# KiCad board TERES_PCB1-A64-MAIN_Rev.B.kicad_pcb (continued)
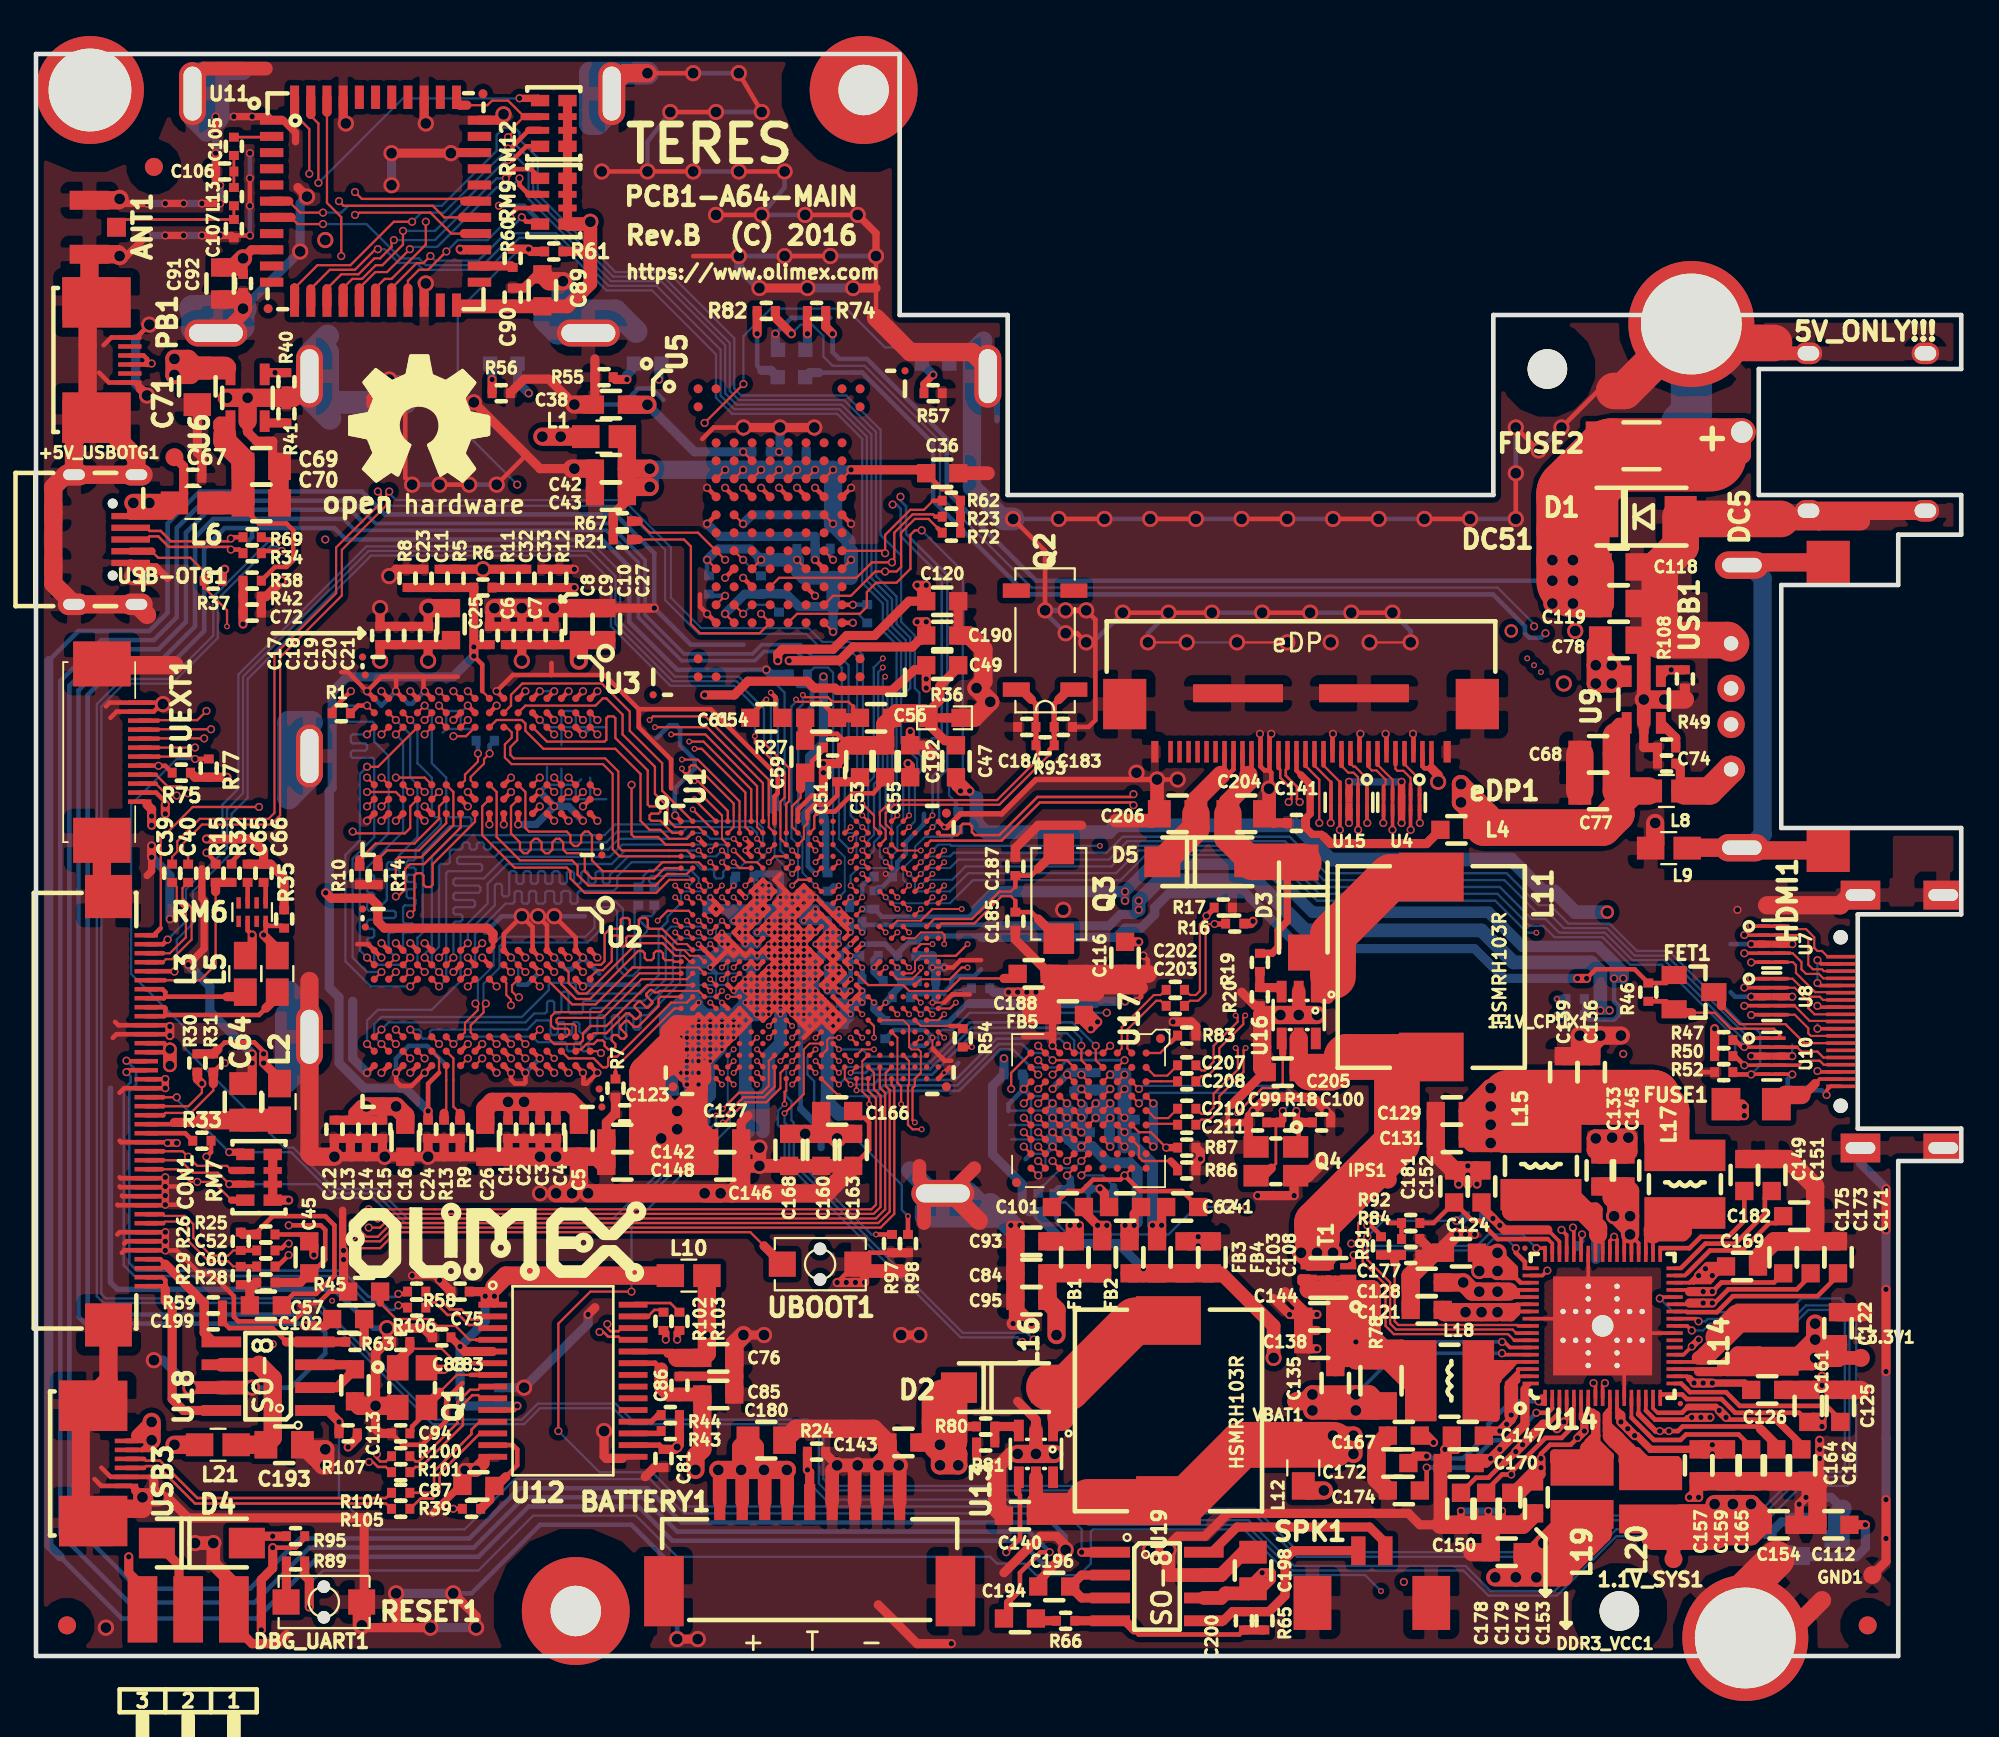
[diagram p0: board, top side]
## Routing (per net, layer and track width the routed paths; a pad name or vN(x,y) marks a point on that pad's centre or on a via; arc(x,y) is an arc through that point) (continued)
  Top w0.508: 26.11,9.96 25.6,9.45 C87.1 25.22,9.19 25.22,8.69 R39.2
Net-(C88-Pad1): length 6.7
  Top w0.127: 24.12,16.27 23.36,16.27 22.56,17.07 20.78,17.07
  Top w0.254: U12.6 24.12,16.27
  Top w0.508: C88.1 20.78,17.07 20.1,16.4 Q1.1
Net-(C94-Pad1): length 6.5
  Top w0.127: 22.43,14.66 23.39,15.62 24.15,15.62
  Top w0.254: C94.1 20.9,12.5 20.9,12.75 21.7,13.55 Q1.2 ; U12.7 24.15,15.62
  Top w0.508: 22.43,14.66 21.7,13.93 Q1.2 21.84,13.81
Net-(C99-Pad1): length 15.1
  Top w0.127: U17.B4 v2(61.3,30.7)
  Top w0.152: 68.91,29.64 68.91,27.36 68.66,27.1
  Top w0.406: v2(69.29,30.28) 69.29,29.77 R18.2
  Top w0.508: 68.66,27.1 68.24,26.68 Q4.2 ; C99.1 R18.2
  Bottom w0.127: v2(69.29,30.28) 69.54,30.53 69.54,31.04 69.29,31.29 61.89,31.29 v2(61.3,30.7)
Net-(C100-Pad2): length 13.3
  Top w0.127: U17.B3 v2(61.3,31.5)
  Top w0.254: R18.1 70.18,28.45 Q4.1
  Top w0.406: v2(70.05,30.28) 70.05,29.77 R18.1
  Top w0.508: R18.1 C100.2
  Bottom w0.127: v2(70.05,30.28) 69.93,30.4 69.93,31.17 69.42,31.67 61.47,31.67 v2(61.3,31.5)
Net-(C102-Pad1): length 1.3
  Top w0.508: R63.2 C102.1
Net-(C105-Pad1): length 2.1
  Top w0.152: 11,84.38 13.05,84.38 U11.2
Net-(C105-Pad2): length 1.8
  Top w0.152: L13.1 C106.2 C105.2
Net-(C113-Pad1): length 5
  Top w0.508: U18.3 17.47,16.18 C113.1 16.71,14.91 U18.2
Net-(C114-Pad2): length 4.3
  Top w0.127: U1.N19 v4(47.88,38.25) ; U1.U18 v4(47.22,36.3)
  Bottom w0.406: v4(47.88,38.25) 47.88,37.73 R48.2 48.11,37.31 47.59,36.79 C114.2 47.53,36.6 v4(47.22,36.3)
  Bottom w0.508: C195.2 R48.2
Net-(C118-Pad2): length 160.8
  Top w0.203: U14.58 82.33,19.14 82.25,19.23 82.25,19.48 82.3,19.54 U14.57
  Top w0.508: 85.42,62.53 85.42,62.41 DC51.1 ; v2(44.27,73.46) 43.89,73.84 R74.1 ; 81.48,19.36 v1(81.23,19.1) 81.48,18.85 81.99,18.85 82.25,19.1 82.25,19.36 81.48,19.36
  Top w1.016: 93.04,66.73 93.03,66.73 94.81,66.73 DC5.1 94.56,68.25 93.29,68.25 92.28,67.23 FUSE2.2 ; v1(85.42,59.74) v1(85.42,58.47) ; v1(84.28,58.47) v1(84.28,59.74) ; v1(84.28,60.88) v1(85.42,60.88) ; v1(81.23,19.1) v1(80.34,19.1) v1(79.45,19.1) 78.31,19.1 C121.1
  Top w1.524: 85.42,64.31 86.44,63.3 D1.C ; DC5.1 93.54,66.73 93.04,66.73 92.53,67.23 FUSE2.2 ; v1(85.42,59.74) 85.42,58.6 85.55,58.47 C119.2 C118.2 ; 87.07,67.23 87.58,66.73 FUSE2.1 87.07,67.23
  Top w4.064: 93.04,66.73 87.58,66.73 85.42,64.57 v1(85.42,60.88) v1(85.42,59.74)
  In3.Cu w1.016: 76.78,19.86 78.44,19.86 79.2,19.1 v1(79.45,19.1) v1(80.34,19.1) v1(81.23,19.1) 80.09,17.96 79.45,17.96 ; v1(85.42,58.47) v1(85.42,59.74) v1(85.42,60.88) v1(84.28,60.88) v1(84.28,59.74) v1(84.28,58.47)
  In3.Cu w2.54: 79.45,17.96 76.02,17.96 76.02,19.1 76.78,19.86
  In3.Cu w4.064: 76.78,19.86 76.4,20.24 76.4,31.04 80.4,35.04 80.4,40.5 81.86,41.96 81.86,50.09 79.45,52.5 79.45,58.34 80.85,59.74 v1(84.28,59.74)
  Bottom w0.254: v1(84.28,59.74) 55.57,59.74 50.62,64.69 50.62,67.62 46.18,72.06 44.65,72.06 44.27,72.44 v2(44.27,73.46)
Net-(C125-Pad2): length 10.2
  Top w0.203: U14.18 91.44,15.14
  Top w0.254: 91.44,15.14 91.92,14.66 93.93,14.66 94.69,13.89 99.52,13.89 100.28,13.13 100.28,13
Net-(C135-Pad1): length 45.4
  Top w0.203: U14.63 81.92,17.14 81.61,17.45 v2(81.48,17.45)
  Top w0.254: T1.6 T1.5 71.48,21.01 T1.7 72.18,21.01 72.93,21.01 72.93,20.36
  Top w0.406: T1.5 70.31,21.01 70.31,20.78 T1.6
  Top w1.016: 73.35,16.43 74.5,16.43 R78.1 ; 73.35,16.43 73.23,16.56 72.21,16.56 C135.1 C138.1 ; 73.35,16.43 v2(73.35,17.45) ; v2(73.35,17.45) 73.35,18.47 ; v2(73.35,17.45) 72.34,17.45 C138.1 ; 73.35,18.47 72.59,18.47 C144.1 ; 73.35,18.47 73.35,19.48 ; 74.24,17.7 74.75,17.2 R78.1 ; 74.24,17.7 74.24,19.48 ; 74.24,17.7 74.88,17.07 75.9,17.07 76.96,16 L18.1 76.28,15.29 74.88,16.69 R78.1 ; 74.24,19.48 74.24,20.37 ; 74.24,19.48 73.35,19.48 ; C144.1 72.85,19.48 73.35,19.48 ; C144.1 72.21,20.24 72.09,20.37 T1.7 ; C144.1 C138.1 ; 73.35,19.48 73.35,19.36 73.35,19.48 ; 74.24,20.37 74.24,20.24 ; 74.24,20.37 70.73,20.37
  Bottom w0.203: v2(81.48,17.45) v2(73.35,17.45)
Net-(C141-Pad1): length 12.8
  Top w0.254: 70.31,48.95 70.06,49.2 eDP1.16
  Top w0.406: 70.31,48.95 70.81,48.44 70.81,46.79 70.56,46.53 C141.1 70.56,46.02 70.94,45.64 71.45,45.64 71.58,45.52
  Top w0.508: L4.1 77.29,45.14 71.96,45.14 71.58,45.52
Net-(C149-Pad1): length 7.2
  Top w0.203: 90.37,22.66 90.27,22.56 U14.35
  Top w0.254: C149.1 94.94,24.18 94.06,23.29 92.53,23.29 91.9,22.66 90.37,22.66
Net-(C151-Pad1): length 7.7
  Top w0.203: 91.52,21.64 91.41,21.54 U14.34
  Top w0.254: 91.52,21.64 92.79,22.91 94.44,22.91 96.09,24.56 96.09,25.45 C151.1
Net-(C165-Pad2): length 8.8
  Top w0.203: U14.13 88.67,13.25
  Top w0.254: 95.2,11.73 94.63,12.31 91.71,12.31 91.4,12 89.92,12 88.67,13.25 ; C165.2 95.33,11.73
Net-(C172-Pad2): length 10.2
  Top w0.203: v2(83.51,14.15) 83.64,14.02 83.77,14.02 83.87,14.12 U14.1 83.71,14.34
  Top w0.406: 83.71,14.34 v2(83.51,14.15)
  Top w0.508: v2(77.29,11.1) 76.66,11.1 C172.2
  Bottom w0.254: v2(83.51,14.15) 81.99,14.15 80.72,12.88 80.72,12.37 79.32,10.97 77.61,10.97 77.48,11.1 v2(77.29,11.1)
Net-(C174-Pad2): length 10.4
  Top w0.203: U14.2 84.27,13.76
  Top w0.254: v2(77.29,10.47) 77.29,9.58 C174.2 ; v2(83.39,13.51) 84.02,13.51 84.27,13.76
  Bottom w0.254: v2(77.29,10.47) 79.45,10.47 80.97,11.99 81.86,11.99 v2(83.39,13.51)
Net-(C177-Pad2): length 12.5
  Top w0.127: 82.37,18.34 82.32,18.39 75.72,18.39 75.51,18.59 75.51,21.89
  Top w0.203: 82.37,18.34 U14.60
  Top w0.508: 75.51,22.28 R91.2 ; 75.51,22.28 75.9,22.28 ; 75.51,22.28 75.51,21.89
Net-(C181-Pad2): length 9.5
  Top w0.203: 84.02,23.17 84.27,22.92 U14.50
  Top w0.254: 84.02,23.17 81.23,23.17 80.21,24.18 79.83,24.18 C181.2 ; R92.2 77.67,24.05 C181.2 ; C181.2 78.82,25.07
Net-(C182-Pad2): length 7.4
  Top w0.203: 91.77,21.26 91.65,21.14 U14.33
  Top w0.254: 91.77,21.26 93.04,22.53 94.82,22.53 96.34,24.05 96.72,24.05 C182.2
Net-(C183-Pad1): length 16
  Top w0.107: 47.55,45.89 47.22,46.22 47.22,46.83
  Top w0.127: 47.22,46.83 47.69,47.3 53.54,47.3 56.34,50.09 ; U1.B19 47.55,45.89
  Top w0.254: 56.34,50.09 56.34,50.34 R93.1
  Top w0.305: R93.1 56.59,52.88 56.84,53.14
  Top w0.508: 56.84,53.14 57.4,53.69 Q2.2
Net-(C184-Pad1): length 16.6
  Top w0.107: 46.9,46.7 46.9,46.2 47.22,45.88 47.22,45.4
  Top w0.127: 46.9,46.7 46.9,46.88 47.57,47.55 53.42,47.55 55.7,49.84 55.7,50.09 ; U1.C18 47.22,45.4
  Top w0.254: 55.7,50.09 55.7,50.47 R93.2
  Top w0.305: 55.32,53.14 55.57,52.88 C184.1 R93.2
  Top w0.508: 55.32,53.14 54.77,53.69 Q2.1
Net-(C185-Pad1): length 8.8
  Top w0.127: 54.43,41.96 54.18,42.22 53.67,42.22 52.15,40.69 50.32,40.69 U1.K23
  Top w0.254: 54.43,41.96 C185.1 55.32,41.33 55.7,40.95
  Top w0.508: 56.79,39.85 55.7,40.95 ; 56.79,39.85 Q3.1 56.79,39.85
Net-(C187-Pad1): length 9.6
  Top w0.127: U1.K22 49.92,40.95 52.02,40.95 53.54,42.47 54.18,42.47 54.43,42.72
  Top w0.254: 54.43,42.72 C187.1 55.32,43.36 55.7,43.74
  Top w0.508: 56.79,44.83 55.7,43.74 ; 56.79,44.83 Q3.2 56.79,44.83
Net-(C188-Pad2): length 9.9
  Top w0.107: 48.53,36.95 50.67,36.95
  Top w0.127: 48.53,36.95 48.2,37.27 46.25,37.27 45.6,37.92 ; 53.8,37.64 51.37,37.64 50.67,36.95
  Top w0.508: 54.43,37.64 53.8,37.64 ; C188.2 54.31,37.64
Net-(C192-Pad2): length 10.4
  Top w0.127: v4(45.28,42.8) U1.G16
  Top w0.508: 48.59,48.82 48.59,49.45 v2(48.46,49.58)
  Bottom w0.107: 45.28,43.35 45.7,43.77 47.43,43.77 47.55,43.9 47.55,44.42 47.88,44.75 47.88,46.05 48.2,46.38 48.2,47.02
  Bottom w0.127: v2(48.46,49.58) 48.46,49.45 48.2,49.19 48.2,47.02 ; v4(45.28,42.8) 45.28,43.35
Net-(C193-Pad1): length 8.7
  Top w0.762: U18.6 12.39,16.18
  Top w1.016: 12.39,16.18 13.16,15.42 13.16,12.12 C193.1 L21.1
Net-(C194-Pad1): length 1.2
  Top w0.508: C194.1 55.7,1.96 R66.2
Net-(C196-Pad1): length 5
  Top w0.508: U19.2 58.12,4.5 C196.1 58.12,3.23 U19.3
Net-(C198-Pad1): length 14.9
  Top w0.508: 67.39,3.61 67.64,3.86 ; 67.64,4.11 v2(68.15,4.62) v2(68.66,4.62) 68.66,4.24 68.15,3.73 C198.1 67.64,4.11
  Top w0.762: C198.1 67.39,3.48 66.12,3.48 65.86,3.23 U19.6
  Top w1.016: v1(71.58,9.19) 70.69,9.19 L12.1
  In3.Cu w0.508: v2(68.15,4.62) 68.28,4.75 ; v2(68.66,4.62) 68.66,4.75 ; v2(68.66,4.62) 68.66,4.75 ; v2(68.66,4.62) 68.66,4.75
  In3.Cu w1.016: v1(71.58,9.19) 71.58,6.78 69.54,4.75 68.28,4.75
Net-(C199-Pad2): length 8.2
  Top w0.254: C199.2 10.74,18.21 13.16,18.21 13.92,17.45
  Top w0.508: 13.92,17.45 U18.4 R63.1 ; R59.2 C199.2
Net-(C200-Pad1): length 11.4
  Top w0.508: U19.5 65.99,1.96 66.5,2.46 C200.1 R65.1 68.53,2.46 69.42,3.35 69.42,5.39 69.88,5.85 SPK1.1
Net-(C200-Pad2): length 11
  Top w0.254: 61.04,1.45 61.29,1.19 66.88,1.19 C200.2
  Top w0.508: 61.04,1.45 60.53,1.96 U19.4 R66.1 ; C200.2 R65.2
Net-(CHGLED1-Pad1): length 4.5
  Top w0.508: v2(40.08,73.46) R82.2
  Bottom w0.254: 40.34,71.42 40.08,71.68 v2(40.08,73.46)
  Bottom w0.508: 40.34,71.42 40.84,71.42 CHGLED1.1
Net-(CON1-Pad18): length 2.8
  Top w0.254: R33.1 8.3,29.04 CON1.18
Net-(D2-Pad2): length 11
  Top w0.508: 56.97,13.26 56.97,12.97 U13.1
  Top w1.524: 56.97,13.26 56.97,14.23 D2.2
  Top w2.54: D2.2 57.35,14.91 61.08,18.64 L16.2
Net-(D3-Pad2): length 13.2
  Top w0.508: 72.09,37.77 72.09,36.75 71.83,36.5 71.54,36.5 U16.1
  Top w1.016: 72.09,38.66 70.85,38.66 D3.2
  Top w2.54: 72.09,37.77 72.09,40.06 75.31,43.28 L11.2
Net-(D4-Pad1): length 4.4
  Top w0.508: DBG_UART1.2 7.95,3.1 7.95,5.04 D4.1
Net-(D4-Pad2): length 49.5
  Top w0.127: v4(40.07,34.35) U1.Y7
  Top w0.508: D4.2 12.1,6.66 v2(13.16,6.66) R95.1
  In2.Cu w0.127: v2(13.16,6.66) 13.41,6.91 13.41,15.67 16.46,18.72 v4(16.46,19.74)
  In3.Cu w0.107: 39.1,32.72 39.1,30.78
  In3.Cu w0.127: 39.1,30.78 39.1,30.44 38.81,30.15 38.81,28.75 33.1,23.04 21.16,23.04 17.86,19.74 v4(16.46,19.74) ; 39.1,32.72 39.43,33.05 39.43,33.7 v4(40.07,34.35)
Net-(DBG_UART1-Pad3): length 62.6
  Top w0.127: U1.V10 v4(42.03,35)
  Top w0.508: v2(5.16,5.51) 5.16,4.62 5.92,3.86 DBG_UART1.3
  In2.Cu w0.127: v2(13.16,17.32) 12.78,16.94 12.78,13.13 v2(5.16,5.51)
  In3.Cu w0.107: 41.86,35 40.72,33.86 40.72,32.08
  In3.Cu w0.127: v2(13.16,17.32) 13.54,16.94 18.87,16.94 20.14,16.94 24.71,21.51 39.57,21.51 41.6,23.55 41.6,28.75 40.72,29.63 40.72,32.08
  In3.Cu w0.152: v4(42.03,35) 41.86,35
Net-(FET1-Pad3): length 8.4
  Top w0.127: 93.68,36.12 94.69,35.1 97.23,35.1 98.28,34.05 HDMI1.13
  Top w0.508: 93.68,36.12 93.68,36.46 FET1.3
Net-(FUSE1-Pad2): length 4.2
  Top w0.203: HDMI1.18 99.13,32.05 98.88,31.8
  Top w0.508: 98.88,31.8 98.25,31.17 98.12,31.17
  Top w1.016: 98.12,31.17 97.23,31.17 FUSE1.2
Net-(HDMI1-Pad19): length 2.4
  Top w0.203: HDMI1.19 99.75,31.65 99.52,31.42 v2(99.52,31.17)
  Bottom w0.254: v2(99.52,31.17) 99.26,31.42 R51.2
Net-(L9-Pad2): length 29.9
  Top w1.016: L9.2 91.79,44.91 USB1.0 94.96,44.76 USB1.0 ; USB1.0 94.96,60.76 USB1.0
  Bottom w1.016: USB1.0 95.22,44.91 95.96,45.64 95.96,59.87 95.22,60.61 USB1.0
Net-(L14-Pad1): length 8.1
  Top w0.203: 92.41,16.56 92.18,16.34 U14.21
  Top w0.508: 93.55,17.7 93.42,17.7 92.41,16.69 92.41,16.56
  Top w0.762: 93.55,17.7 93.55,17.2 92.91,16.56 92.41,16.56
  Top w1.524: 93.55,17.7 94.62,18.78 L14.1
Net-(L15-Pad1): length 20.3
  Top w0.203: 87.07,22.91 86.94,23.04 86.82,23.04 ; 87.07,22.91 87.07,23.17 86.82,23.42 86.82,23.04 ; 87.07,22.91 U14.43 ; 86.82,23.04 86.69,23.04 86.67,23.02 U14.44
  Top w0.508: 86.31,24.94 86.69,24.94 86.82,24.82 86.82,23.8 ; 86.31,24.94 85.67,24.94 L15.1 85.62,25.63 86.31,24.94
  Top w1.016: 85.93,24.69 84.99,25.63 L15.1 82.93,25.63 81.99,24.69 85.93,24.69 ; 85.93,24.69 86.82,23.8 86.82,23.42
Net-(L17-Pad1): length 7.6
  Top w0.203: 89.87,23.17 89.87,23.16 U14.36 ; 89.87,23.17 89.87,23.42 ; 89.87,23.17 89.48,23.17 89.47,23.15 U14.37
  Top w0.762: L17.1 91.64,23.55 91.52,23.42 89.87,23.42
  Top w1.016: L17.1 90.81,24.61 89.87,23.67 89.87,23.42
Net-(L18-Pad2): length 9.3
  Top w0.203: 82.28,16.34 82.12,16.18 ; 82.28,16.34 U14.65 ; 82.28,16.34 81.77,16.34 81.61,16.18 ; 82.12,16.18 81.99,16.05 81.61,16.05 ; 82.12,16.18 81.61,16.18 ; 81.61,16.18 81.48,16.05
  Top w0.254: 81.36,15.42 81.99,16.05 81.99,16.18
  Top w0.508: 81.1,15.42 81.1,13.26
  Top w0.762: L18.2 80.92,16.05 81.48,16.05 81.1,16.05 ; 81.1,16.05 81.1,15.42 ; 81.1,16.05 81.61,16.05
Net-(L19-Pad1): length 13.9
  Top w0.203: 86.44,13.64 86.27,13.81 86.27,13.77 ; 86.44,13.64 86.56,13.64 86.69,13.51 86.69,13.39 86.44,13.64 ; 86.27,13.77 86.27,13.55 86.69,13.13 ; 86.27,13.77 U14.7
  Top w0.508: 86.69,13.39 86.69,12.24 ; 86.69,12.24 86.69,11.86 86.31,11.48 86.31,11.86 86.5,12.05 ; 86.69,12.24 86.5,12.05 ; 86.5,12.05 87.45,11.1 87.07,11.1 ; L19.1 84.4,10.85 84.4,11.23 86.31,11.23
  Top w1.016: 86.31,11.48 86.31,10.65 L19.1 86.76,11.1 87.07,11.1
Net-(L20-Pad1): length 11.7
  Top w0.203: 87.47,13.77 U14.10 ; 87.47,13.77 87.32,13.62 87.32,13.39 87.47,13.53 87.47,13.77
  Top w0.254: 87.71,12.12 87.71,12.62 87.32,13
  Top w0.406: 91.26,10.85 91.2,10.91 89.42,10.91
  Top w0.508: 87.32,13.39 87.32,12.5 87.58,12.24 ; 88.47,11.35 88.98,11.35 89.74,10.59 L20.1
  Top w1.016: 87.71,12.12 87.83,11.99 ; 87.83,11.99 87.58,12.24 ; 87.83,11.99 88.47,11.35 88.47,10.85 89.3,10.01 L20.1 89.43,10.01
Net-(LED1-Pad1): length 1.8
  Top w0.508: v2(32.84,70.92) 32.21,70.92 R55.1
  Bottom w0.508: v2(32.84,70.92) 32.84,71.17 33.1,71.42 33.1,71.78 33.11,71.8
Net-(LED2-Pad1): length 1.7
  Top w0.508: v2(25.35,70.92) R56.1
  Bottom w0.508: v2(25.35,70.92) 25.35,71.69 LED2.1
Net-(LED3-Pad1): length 2.1
  Top w0.406: v2(49.86,71.17) 49.35,70.66 R57.1
  Bottom w0.508: v2(49.86,71.17) 49.24,71.79 LED3.1
Net-(PB1-Pad3): length 164
  Top w0.254: R91.1 74.75,23.36 74.18,23.93 v2(73.99,23.93) ; PB1.4 6.12,71.75 6.17,71.81 6.17,72.06 5.98,72.25 PB1.3
  Top w0.406: v2(6.43,71.81) 6.17,71.81
  In3.Cu w0.127: v2(73.99,23.93) 73.48,23.42 73.48,23.17 74.12,22.53 74.12,19.23 74.37,18.97 74.37,13.13 74.12,12.88 74.12,10.34 72.59,8.81 72.59,6.15 70.18,3.73 52.91,3.73 52.78,3.86 39.7,3.86 33.35,10.21 26.34,10.21 23.3,7.16 4.9,7.16 4.14,7.93 4.14,51.49 9.73,57.07 9.73,64.82 6.93,67.62 6.93,71.3 v2(6.43,71.81)
Net-(PWRLED1-Pad2): length 2.2
  Top w0.508: R74.2 v2(42.88,73.46)
  Bottom w0.508: v2(42.88,73.46) 42.88,72.67 PWRLED1.2
Net-(R7-Pad2): length 5.6
  Top w0.127: U1.U1 35.49,35.97 32.21,32.69 32.21,32.44
  Top w0.254: 32.21,32.06 32.21,32.44
Net-(R9-Pad1): length 4.2
  Top w0.127: 23.57,30.15 23.2,30.52 23.2,33.2 U2.L8
  Top w0.508: R9.1 23.57,30.15
Net-(R10-Pad1): length 7
  Top w0.127: 17.98,44.25 18.87,45.14 21.03,45.14 22.4,46.51 22.4,47.2 U3.L8
  Top w0.508: 17.98,44.25 R10.1
Net-(R13-Pad1): length 3.1
  Top w0.127: 22.68,30.15 22.8,30.27 U2.L9
  Top w0.508: R13.1 22.68,30.15
Net-(R14-Pad1): length 5.5
  Top w0.127: U3.L9 22.8,46.27 21.28,44.76 19.51,44.76 19,44.25
  Top w0.508: R14.1 19,44.25
Net-(R19-Pad2): length 2.2
  Top w0.508: U16.3 69.01,37.13 R20.1 R19.2
Net-(R22-Pad1): length 2.4
  Top w0.127: U17.F9 v2(57.3,26.7)
  Bottom w0.406: v2(57.3,26.7) 57.48,26.52 R53.1 56.84,25.96 R22.1
Net-(R34-Pad1): length 174.5
  Top w0.203: v2(92.02,18.08) 91.77,18.34 U14.26
  Top w0.254: v2(13.67,61.39) 12.65,61.39 R34.1
  Bottom w0.127: v2(13.67,61.39) 13.41,61.65 13.03,61.65 10.11,58.73 10.11,56.57 7.57,54.03 4.9,54.03 3.63,52.76 3.63,20.12 3.89,19.86 15.44,19.86 22.17,13.13 27,13.13 27.89,14.02 32.21,14.02 33.1,13.13 42.88,13.13 43.76,12.24 43.76,9.83 44.15,9.45 57.73,9.45 59,8.18 67.77,8.18 70.18,5.77 82.75,5.77 83.01,5.51 85.17,5.51 87.45,7.8 95.58,7.8 97.99,10.21 100.28,10.21 100.53,10.47 100.53,18.59 99.9,19.23 98.5,19.23 97.74,18.47 93.04,18.47 92.66,18.08 v2(92.02,18.08)
Net-(R41-Pad2): length 1.2
  Top w0.508: R41.2 12.81,68.5 U6.3
Net-(R43-Pad2): length 1.6
  Top w0.305: R43.2 34.62,12.37 U12.17
Net-(R44-Pad2): length 1.7
  Top w0.305: R44.2 34.57,13.39 34.2,13.02 U12.18
Net-(R45-Pad2): length 7.7
  Top w0.127: 19.13,19.61 20.02,18.72 21.92,18.72 22.3,18.34 23.32,18.34 24.09,17.57 24.47,17.57
  Top w0.203: U12.4 24.47,17.57
  Top w0.406: 19.13,19.61 R45.2
Net-(R49-Pad2): length 1.7
  Top w0.508: R49.2 91.13,51.01 U9.3
Net-(R54-Pad1): length 84.5
  Top w0.127: 18.87,76 19.38,76.5 19.76,76.5 21.67,78.41 v2(21.67,79.68)
  Top w0.254: v4(52.02,33.83) R54.1
  Top w0.508: U11.17 18.87,76
  In3.Cu w0.127: 58.5,45.01 58.5,45.01 ; 58.5,45.01 59.77,43.74 59.77,36.75 57.35,34.34 53.03,34.34 52.53,33.83 v4(52.02,33.83) ; 58.5,45.01 58.5,51.87 52.27,58.09 52.27,61.14 ; 52.27,61.14 51.51,61.9 51.51,66.3 44.86,72.95 39.45,72.95 33.48,78.92 30.3,78.92 29.41,79.81 28.02,79.81 27.38,80.44 26.24,80.44 25.6,79.81 21.92,79.81 21.79,79.68 v2(21.67,79.68) ; 52.27,61.14 52.27,61.14
Net-(R60-Pad1): length 1.9
  Top w0.508: R60.1 26.41,77.22 U11.24
Net-(R68-Pad1): length 28.3
  Top w0.127: v2(49.22,62.53) 48.84,62.53 48.6,62.29 48.6,60.4 47.83,59.63 46.7,59.63 46.18,59.11 46.18,58.28 45.8,57.9 42.3,57.9 U5.P6
  Bottom w0.127: v2(49.22,62.53) 51.51,60.25 51.51,49.07 50.75,48.31 50.75,47.8 51.13,47.42 ; R68.1 51.23,46.91
  Bottom w0.254: 51.13,47.42 51.13,47.04 R68.1
Net-(R69-Pad1): length 176.1
  Top w0.203: v2(92.41,18.59) 92.26,18.74 U14.27
  Top w0.254: v2(13.67,62.03) 12.65,62.03 R69.1
  Bottom w0.127: v2(13.67,62.03) 13.54,62.03 13.41,61.9 12.9,61.9 9.86,58.85 9.86,56.69 7.44,54.28 4.78,54.28 3.38,52.88 3.38,19.99 3.76,19.61 15.32,19.61 22.05,12.88 27.13,12.88 28.02,13.77 32.08,13.77 32.97,12.88 42.75,12.88 43.51,12.12 43.51,9.58 43.89,9.19 57.61,9.19 58.88,7.92 67.66,7.92 70.07,5.51 82.63,5.51 82.88,5.26 85.29,5.26 87.58,7.54 95.71,7.54 98.12,9.96 100.41,9.96 100.79,10.34 100.79,18.72 100.03,19.48 98.37,19.48 97.61,18.72 92.91,18.72 92.79,18.59 v2(92.41,18.59)
Net-(R80-Pad2): length 2.3
  Top w0.508: U13.3 54.4,12.75 53.29,12.75 53.29,11.86
Net-(R82-Pad1): length 91.2
  Top w0.203: v2(84,21.41) 83.72,21.14 U14.53
  Top w0.508: v2(41.99,73.46) 41.1,74.35 R82.1
  In3.Cu w0.127: v2(84,21.41) 83.9,21.51 83.9,39.04 84.91,40.06 84.91,51.1 82.5,53.52 82.5,55.68 83.26,56.44 v2(83.26,57.2)
  Bottom w0.127: v2(83.26,57.2) 83.26,57.33 81.23,59.36 55.32,59.36 50.24,64.44 50.24,67.49 46.05,71.68 44.27,71.68 43.76,72.19 43.76,73.33 43.13,73.97 42.49,73.97 v2(41.99,73.46)
Net-(R83-Pad1): length 2.1
  Top w0.127: 63.07,34.09 62.48,33.5 U17.A1
  Top w0.254: 63.07,34.09 R83.1
Net-(R86-Pad1): length 3.7
  Top w0.127: 63.05,27.5 63.07,27.5 61.5,27.5 61.3,27.7 61.3,28.3 U17.B7
  Top w0.406: R86.1 63.45,27.12 63.07,27.5
Net-(R89-Pad1): length 2.3
  Top w0.508: R89.1 13.92,3.02 RESET1.1
Net-(R96-Pad1): length 15.1
  Top w0.127: U1.H14 v4(44.62,42.15)
  Bottom w0.107: 44.3,47.02 44.3,47.04 44.3,45.04 44.95,44.39 44.95,42.48
  Bottom w0.127: v4(44.62,42.15) 44.95,42.48 ; 44.3,47.04 44.3,54.63 44.02,54.91 43.26,54.91 R96.1
Net-(R97-Pad1): length 13.3
  Top w0.127: U1.AA11 v4(42.03,33.05)
  Top w0.254: R97.1 v4(46.69,23.42)
  Bottom w0.107: 41.7,32.72 41.7,31.1
  Bottom w0.127: v4(46.69,23.42) 46.43,23.42 42.11,27.74 42.11,29.64 41.99,29.77 41.99,30.81 41.7,31.1 ; v4(42.03,33.05) 41.7,32.72
Net-(R98-Pad1): length 13.5
  Top w0.127: U1.AA12 v4(43.32,33.7)
  Top w0.254: v4(48.46,24.44) R98.1
  Bottom w0.127: v4(48.46,24.44) 48.12,24.78 48.12,26.17 44.78,29.52 44.4,29.52 43.26,30.66 43.26,31.93 42.88,32.31 42.88,33.25 v4(43.32,33.7)
Net-(R109-Pad2): length 3.9
  Top w0.127: U1.U21 v4(49.18,35.65)
  Bottom w0.107: 49.5,35.97 50.15,35.97
  Bottom w0.127: v4(49.18,35.65) 49.5,35.97 ; 51.6,37 51.18,37 50.15,35.97
  Bottom w0.305: 51.6,37 51.89,37 R109.2
Net-(SPK1-Pad2): length 11.5
  Top w0.508: U19.8 65.35,5.77 66.75,7.16 74.12,7.16 74.99,6.29 SPK1.2
Net-(T1-Pad3): length 12
  Top w0.203: U14.52 82.85,21.54 82.75,21.64
  Top w0.254: 72.93,21.66 73.04,21.77 73.23,21.77 v2(73.23,22.28) ; 82.75,21.64 82.75,21.89 82.25,22.4 v2(82.25,22.66)
  Bottom w0.127: v2(73.23,22.28) 73.48,22.53 80.34,22.53 80.97,23.17 81.74,23.17 v2(82.25,22.66)
Net-(U1-PadF17): length 113.8
  Top w0.127: v2(17.86,22.66) 19.13,22.66 20.02,23.55 39.7,23.55 40.46,22.78 ; v4(45.93,43.45) U1.F17
  Top w0.508: 41.48,21.51 UBOOT1.1 40.46,22.78
  In2.Cu w0.127: v2(17.86,22.66) 17.73,22.78 17.47,22.78 16.84,23.42 16.84,24.18 12.9,28.12 12.9,30.91 11.25,32.56 11.25,40.69 12.9,42.34 12.9,58.34 16.08,61.52 v2(16.08,62.03)
  In3.Cu w0.107: 45.6,47.02 45.6,43.77
  In3.Cu w0.127: v4(45.93,43.45) 45.6,43.77 ; 45.6,47.02 45.6,47.11 44.4,48.31 43.38,48.31 38.81,52.88 38.81,54.53 38.18,55.17 36.78,55.17 33.35,58.6 33.35,62.15 31.57,63.93 18.11,63.93 16.2,62.03 v2(16.08,62.03)

## Copper pours and planes (outline as drawn; the poured copper is in the pictures)
1.1V_CPUX on In4.Cu: 39.83,35.48 39.83,30.15 39.45,29.77 39.45,26.85 39.83,26.47 40.46,26.47 41.99,27.99 63.83,27.99 65.48,29.64 74.24,29.64 76.66,32.06 81.36,32.06 81.36,27.74 79.71,27.74 76.91,24.94 73.48,24.94 72.21,23.67 69.67,23.67 65.48,19.48 36.53,19.48 32.08,23.93 32.08,28.88 33.35,30.15 33.35,32.31 36.53,35.48
1.1V_SYS on In4.Cu: 45.8,46.79 45.16,46.15 45.16,44.88 44.53,44.25 44.53,41.33 45.16,40.69 45.16,37.39 45.29,37.26 45.29,36.88 45.03,36.63 45.03,35.36 47.57,35.36 47.57,34.85 50.88,34.85 53.03,37.01 57.35,37.01 58.24,37.9 73.23,37.9 75.64,35.48 83.26,35.36 85.93,32.69 85.93,26.34 81.61,26.34 81.61,32.31 76.53,32.31 74.12,29.9 65.35,29.9 63.7,28.25 42.11,28.25 42.11,35.23 43.51,36.63 43.51,38.53 42.88,38.53 42.88,40.56 42.24,41.2 41.48,41.2 41.48,41.33 42.11,41.96 42.11,48.69 38.18,52.63 45.8,52.63
+1.5V on In4.Cu: 41.1,41.2 41.86,41.96 41.86,48.56 37.79,52.63 33.48,52.63 33.48,55.8 29.92,59.36 21.28,59.36 15.7,53.77 15.7,26.34 21.16,26.34 21.16,23.42 30.94,13.64 32.21,13.64 34.37,11.48 43.38,11.48 43.76,11.86 48.21,11.86 49.48,13.13 52.02,13.13 54.05,10.85 58.5,10.85 61.54,7.8 62.57,7.8 65.36,5 75.9,5 77.16,3.73 84.78,3.73 85.42,4.37 85.42,7.29 82.75,9.96 72.97,9.7 69.54,13.13 69.54,16.43 68.78,17.2 68.4,17.2 66.88,18.72 36.53,18.72 31.19,24.05 31.19,29.39 32.59,30.78 32.59,32.69 36.78,36.88 38.78,36.88 39.57,37.68 40.59,37.68 40.59,41.2
+3V3 on In4.Cu: -13.64,102.54 -13.64,-11.76 120.98,-11.76 120.98,102.54
GND on Top: 110.5,-1.92 -3.8,-1.92 -3.8,92.06 110.5,92.06
GND on Top: 51.13,31.17 35,31.17 35,47.17 51.13,47.17
GND on Bottom: -16.18,104.95 -16.18,-14.43 123.52,-14.43 123.52,104.95
GND on In1.Cu: -6.02,94.92 -6.02,-4.14 113.36,-4.14 113.36,94.92
GND on In2.Cu: -8.56,97.46 -8.56,-6.68 115.9,-6.68 115.9,97.46
GND on In3.Cu: -11.1,100 -11.1,-9.22 118.44,-9.22 118.44,100
GND on In4.Cu: 42.75,40.44 42.75,38.41 43.38,38.41 43.38,36.63 41.99,35.23 41.99,28.25 40.46,26.72 39.95,26.72 39.7,26.97 39.7,29.64 39.95,29.9 39.95,35.61 39.06,35.61 39.06,37.01 39.57,37.52 40.72,37.52 40.72,41.07 42.11,41.07
IPS on In4.Cu: 95.83,6.4 86.82,6.4 82.88,10.34 72.72,10.34 69.93,13.13 69.93,16.31 67.13,19.1 67.09,19.95 70.18,23.04 72.47,23.04 73.61,24.18 76.78,24.18 78.69,26.09 91.13,26.09 95.45,23.29 96.09,21.26 96.09,7.8

## Text on the board
F.SilkS: https://www.olimex.com | Rev.B | PCB1-A64-MAIN | (C) 2016 | 5V_ONLY!!! | + | TERES
